# Altium PCB FPGA Board V1.PcbDoc (part 2 of 2) (continued)
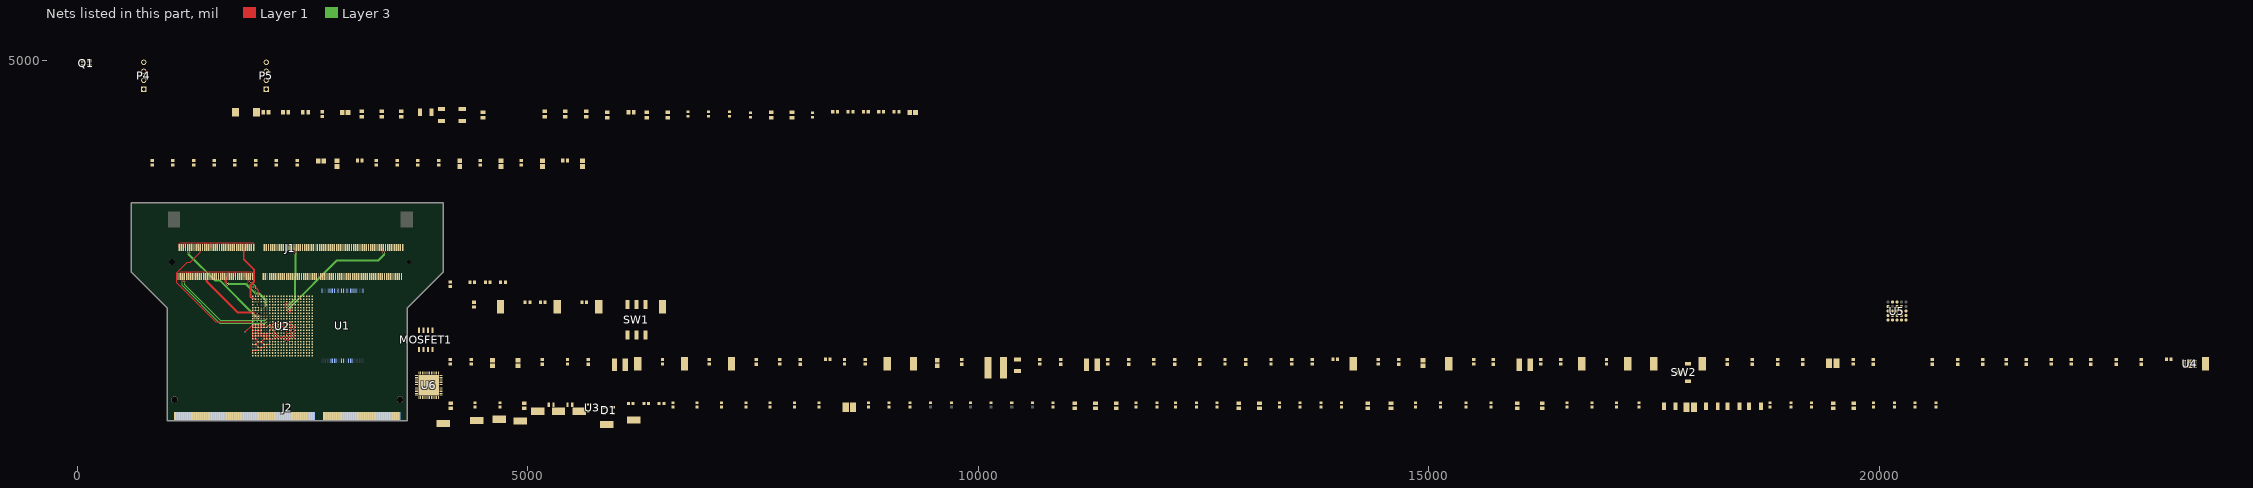
[diagram p7: the nets of this part, all layers, seen from the top]
## Part data (continued)
R32: library part RC0603FR-077K87L, "RES 7.87K OHM 1% 1/10W 0603", Device Package="0603 (1608 Metric)", Manufacturer=Yageo, Operating Temperature="-55°C ~ 155°C", Power (Watts)="0.1W, 1/10W", Supplier Device Package=0603, Supplier Part Number 1=311-7.87KHRCT-ND, Temperature Coefficient=±100ppm/°C, Tolerance=±1%, ComponentLink1Description=Datasheet, ComponentLink1URL=https://www.yageo.com/upload/media/product/productsearch/datasheet/rchip/PYu-RC_Group_51_RoHS_L_10.pdf, ComponentLink2Description="DigiKey Link", ComponentLink2URL=https://www.digikey.com/en/products/detail/yageo/RC0603FR-077K87L/727368, Composition="Thick Film", Features="Moisture Resistant", Height - Seated (Max)="0.022\" (0.55mm)", lastupdated="2023-09-26 7:35:54 PM", Lifecycle Status=Active, Minimum Order=1, Number of Terminations=2, Package / Case="0603 (1608 Metric)", Packaging=CutTape, Part Number=RC0603FR-077K87L, Part Status=Active, partid=22832, price=0.01, Resistance="7.87 kOhms", Series=RC_L, Size / Dimension="0.063\" L x 0.031\" W (1.60mm x 0.80mm)", Supplier 1=DigiKey
R33: library part RC0603FR-0711K5L, "RES 11.5K OHM 1% 1/10W 0603", Device Package="0603 (1608 Metric)", Manufacturer=Yageo, Operating Temperature="-55°C ~ 155°C", Power (Watts)="0.1W, 1/10W", Supplier Device Package=0603, Supplier Part Number 1=311-11.5KHRCT-ND, Temperature Coefficient=±100ppm/°C, Tolerance=±1%, ComponentLink1Description=Datasheet, ComponentLink1URL=https://www.yageo.com/upload/media/product/productsearch/datasheet/rchip/PYu-RC_Group_51_RoHS_L_10.pdf, ComponentLink2Description="DigiKey Link", ComponentLink2URL=https://www.digikey.com/en/products/detail/yageo/RC0603FR-0711K5L/726901, Composition="Thick Film", Features="Moisture Resistant", Height - Seated (Max)="0.022\" (0.55mm)", lastupdated="2023-09-26 7:36:11 PM", Lifecycle Status=Active, Minimum Order=1, Number of Terminations=2, Package / Case="0603 (1608 Metric)", Packaging=CutTape, Part Number=RC0603FR-0711K5L, Part Status=Active, partid=19023, price=0.01, Resistance="11.5 kOhms", Series=RC_L, Size / Dimension="0.063\" L x 0.031\" W (1.60mm x 0.80mm)", Supplier 1=DigiKey
R34: library part RC0603FR-0747KL, "RES 47K OHM 1% 1/10W 0603", Device Package="0603 (1608 Metric)", Manufacturer=Yageo, Operating Temperature="-55°C ~ 155°C", Power (Watts)="0.1W, 1/10W", Supplier Device Package=0603, Supplier Part Number 1=311-47.0KHRCT-ND, Temperature Coefficient=±100ppm/°C, Tolerance=±1%, ComponentLink1Description=Datasheet, ComponentLink1URL=https://www.yageo.com/upload/media/product/productsearch/datasheet/rchip/PYu-RC_Group_51_RoHS_L_10.pdf, ComponentLink2Description="DigiKey Link", ComponentLink2URL=https://www.digikey.com/en/products/detail/yageo/RC0603FR-0747KL/727253, Composition="Thick Film", Features="Moisture Resistant", Height - Seated (Max)="0.022\" (0.55mm)", lastupdated="2023-09-26 7:35:55 PM", Lifecycle Status=Active, Minimum Order=1, Number of Terminations=2, Package / Case="0603 (1608 Metric)", Packaging=CutTape, Part Number=RC0603FR-0747KL, Part Status=Active, partid=22601, price=0.01, Resistance="47 kOhms", Series=RC_L, Size / Dimension="0.063\" L x 0.031\" W (1.60mm x 0.80mm)", Supplier 1=DigiKey
R35: library part RK73H1JTTD7151F, "RES 7.15K OHM 1% 1/10W 0603", Device Package="0603 (1608 Metric)", Manufacturer="KOA Speer Electronics, Inc.", Operating Temperature="-55°C ~ 155°C", Power (Watts)="0.1W, 1/10W", Ratings=AEC-Q200, Supplier Device Package=0603, Supplier Part Number 1=2019-RK73H1JTTD7151FCT-ND, Temperature Coefficient=±100ppm/°C, Tolerance=±1%, ComponentLink1Description=Datasheet, ComponentLink1URL=http://www.koaspeer.com/catimages/Products/RK73H/RK73H.pdf, ComponentLink2Description="DigiKey Link", ComponentLink2URL=https://www.digikey.com/en/products/detail/koa-speer-electronics-inc/RK73H1JTTD7151F/9845079, Composition="Thick Film", Features="Automotive AEC-Q200, Moisture Resistant", Height - Seated (Max)="0.022\" (0.55mm)", lastupdated="2023-09-26 7:35:34 PM", Lifecycle Status=Active, Minimum Order=1, Number of Terminations=2, Package / Case="0603 (1608 Metric)", Packaging=CutTape, Part Number=RK73H1JTTD7151F, Part Status=Active, partid=25451, price=0.01, Resistance="7.15 kOhms", Series=RK73H, Size / Dimension="0.063\" L x 0.031\" W (1.60mm x 0.80mm)", Supplier 1=DigiKey
R37: library part RC0603FR-0741K2L, "RES 41.2K OHM 1% 1/10W 0603", Device Package="0603 (1608 Metric)", Manufacturer=Yageo, Operating Temperature="-55°C ~ 155°C", Power (Watts)="0.1W, 1/10W", Supplier Device Package=0603, Supplier Part Number 1=311-41.2KHRCT-ND, Temperature Coefficient=±100ppm/°C, Tolerance=±1%, ComponentLink1Description=Datasheet, ComponentLink1URL=https://www.yageo.com/upload/media/product/productsearch/datasheet/rchip/PYu-RC_Group_51_RoHS_L_10.pdf, ComponentLink2Description="DigiKey Link", ComponentLink2URL=https://www.digikey.com/en/products/detail/yageo/RC0603FR-0741K2L/727225, Composition="Thick Film", Features="Moisture Resistant", Height - Seated (Max)="0.022\" (0.55mm)", lastupdated="2023-09-26 7:36:34 PM", Lifecycle Status=Active, Minimum Order=1, Number of Terminations=2, Package / Case="0603 (1608 Metric)", Packaging=CutTape, Part Number=RC0603FR-0741K2L, Part Status=Active, partid=12414, price=0.01, Resistance="41.2 kOhms", Series=RC_L, Size / Dimension="0.063\" L x 0.031\" W (1.60mm x 0.80mm)", Supplier 1=DigiKey
SW1: library part CMP-07018-000004-1, "SWITCH SLIDE DIP SPST 100MA 20V", Current Rating=100mA, Max Operating Temperature=85°C, Max Voltage Rating (DC)=20V, Min Operating Temperature=-55°C, Package Quantity=1000, Actuator Type="Slide (Standard)", Contact Material=Copper, Contact Plating=Gold, Electrical Life=2000Cycles, Lead Free="Lead Free", Length=0.358inch, Max Current Rating=100mA, Mechanical Life=2000Cycles, Mount="Surface Mount", Number of Positions=3, Orientation=Straight, Packaging="Tape and Reel", Pitch=0.1inch, Termination="Gull Wing", Throw Configuration=SPST, Voltage Rating (DC)=20V, Washable=Yes
SW2: library part CMP-10038-000010-1, "SWITCH SLIDE SPDT 300MA 6V", Current Rating=300mA, Max Operating Temperature=85°C, Min Operating Temperature=-40°C, Voltage Rating (DC)=6V, Actuator Length=2mm, Actuator Material=Nylon, Actuator Type=Standard, Contact Material="Copper Alloy", Contact Plating=Silver, Electrical Life=5000Cycles, Mount="Surface Mount", Packaging="Cut Tape", Switch Function=On-On, Switch Travel=2mm, Throw Configuration=SPDT
TP20 TP21 TP22 TP23 TP24 TP25 TP26 TP27 TP28 TP29 TP30 TP31 TP32 TP33 TP34 TP35 TP? TP? TP? TP? TP? TP? TP? TP? TP?: library part CMP-1672-00008-1, "Test Point, 1 Position SMD, RoHS, Tape and Reel", Package Quantity=1000, ComponentLink1Description="Manufacturer URL", ComponentLink1URL=http://www.keyelco.com/, ComponentLink2Description=Datasheet, ComponentLink2URL=http://www.keyelco.com/product-pdf.cfm?p=1357, Contact Plating=Silver, DatasheetVersion=03/2014, Mount="Surface Mount", Mounting Technology="Surface Mount", PackageDescription="1-Pin Surface Mount Device, Body 3.81 x 2.03 mm", PackageReference=5019, Packaging="Tape and Reel", Pins=1, RoHSCompliant=True
U1: "No Description Available", Mfr_Name="Cypress Semiconductor", Copyright="Copyright (C) 2021 Ultra Librarian. All rights reserved.", Digi-Key_Part_Number_1=428-4274-ND, Digi-Key_Part_Number_2=2120-S34MS01G200TFI000-ND, Digi-Key_Part_Number_3=2832-S34MS01G200TFI000-ND, Manufacturer_Part_Number=S34ML02G200TFA000, RefDes=RefDes, Type=DEV
U2: "Artix-7 FPGA, 285 User I/Os, 4 GTP, 484-Ball BGA, Speed Grade 1, Commercial Grade, Pb-Free", Generic Part Number=XC7A200T, Manufacturer=Xilinx, Supplier Part Number 1=122-1867-ND, Block RAM Blocks (18Kb)=730, Block RAM Blocks (36Kb)=365, Block RAM Blocks (Max Kb)=13140, CLBs (Max Distributed RAM Kb)=2888, CLBs (Slices)=33650, Clock Mgmt Tiles (CMTs)=10, Code_JEDEC=MO-275-PPA2, ComponentLink1Description="Manufacturer URL", ComponentLink1URL=http://www.xilinx.com/, ComponentLink2Description=Datasheet, ComponentLink2URL=http://www.xilinx.com/support/documentation/data_sheets/ds180_7Series_Overview.pdf, ComponentLink3Description="Package Specification", ComponentLink3URL=http://www.xilinx.com/support/documentation/user_guides/ug475_7Series_Pkg_Pinout.pdf, ComponentLink4Description="DC and Switching Characteristics", ComponentLink4URL=http://www.xilinx.com/support/documentation/data_sheets/ds181_Artix_7_Data_Sheet.pdf, ComponentLink5Description="Package File", ComponentLink5URL=http://www.xilinx.com/support/packagefiles/a7packages/xc7a200tsbg484pkg.txt, ComponentLink6Description="Packaging and Pinout", ComponentLink6URL=http://www.xilinx.com/support/documentation/user_guides/ug475_7Series_Pkg_Pinout.pdf, DatasheetVersion=v1.12, DSP48E1 Slices=740, Logic Cells=215360, Max User I/O=500, Mounting Technology="Surface Mount", NexusDeviceID=XC7A200T-1SBG484C, PackageDescription="Flip-Chip Lidless BGA, Body 19 x 19 mm, 0.8 mm Pitch", PackageReference=SBG484, PackageVersion="Rev 1.8", PartNumber=XC7A200T-1SBG484C, RoHS=Pb-Free, Speed Grade=-1, Supplier 1=Digi-Key
U3: library part CMP-0367-00158-2, "1.25 V, 50 ppm / degC, 50 uA Series (Bandgap) Voltage Reference, -40 to 125 degC, 3-pin SOT-23 (DBZ), Green (RoHS & no Sb/Br)", Manufacturer="Texas Instruments", Rating=Catalog, Temp Coeff(Max)(ppm/ degree C)=50, Temp Coeff(Typ)(ppm/ degree C)=20, Code_JEDEC=TO-236, ComponentLink1Description="Manufacturer URL", ComponentLink1URL=http://www.ti.com/, ComponentLink2Description=Datasheet, ComponentLink2URL=http://www.ti.com/general/docs/lit/getliterature.tsp?genericPartNumber=REF3012&fileType=pdf, ComponentLink3Description="Package Specification", ComponentLink3URL=http://www.ti.com/litv/pdf/mpds108a, DatasheetVersion=SBVS032F, Eco-Plan="Green (RoHS & no Sb/Br)", Initial Accuracy @ 25/deg C(%)=0.2, Iq(Max)(uA)=50, Mounting Technology="Surface Mount", PackageDescription="3-Pin Plastic Small Outline, Body 2.92 x 1.3 mm, Pitch 0.95 mm", PackageReference=DBZ0003A, PackageVersion=4203227/B, PartNumber=REF3012AIDBZT, SubFamily="Series Voltage Reference", VI(Max)(V)=5.5, VI(Min)(V)=1.8, VO(V)=1.25
U4: library part CMP-0395-00656-2, "Single Output LDO, 3 A, 2.375 to 3.5 V Input, with DDR Termination, 10-pin SON (DRC), -40 to 85 degC, Green (RoHS & no Sb/Br)", Manufacturer="Texas Instruments", Power Good=TRUE, Rating=Catalog, ComponentLink1Description="Manufacturer URL", ComponentLink1URL=http://www.ti.com/, ComponentLink2Description=Datasheet, ComponentLink2URL=http://www.ti.com/general/docs/lit/getliterature.tsp?genericPartNumber=TPS51200&fileType=pdf, ComponentLink3Description="Package Specification", ComponentLink3URL=http://www.ti.com/litv/pdf/mpds117k, ComponentLink4Description="URL Link1", ComponentLink4URL="Samples URL:http://www.ti.com/product/tps51200#samples", DatasheetVersion=SLUS812, Eco-Plan="Green (RoHS & no Sb/Br)", Iout(Max)(A)=3, Iq(Typ)(mA)=0.5, Mounting Technology="Surface Mount", PackageDescription="10-Pin Plastic Small Outline, Body 3 x 3 mm, Pitch 0.5 mm", PackageReference=DRC0010J, PackageVersion=4204102-3/L, PartNumber=TPS51200DRCT, SubFamily="Single Channel LDO", Vin(Max)(V)=3.5, Vin(Min)(V)=2.3
U5: library part LTM4624EYPBF, "No Description Available", Mfr_Name="Analog Devices Inc", Copyright="Copyright (C) 2023 Ultra Librarian. All rights reserved.", Manufacturer_Part_Number=LTM4624EY#PBF, RefDes=RefDes, Type=DEV
U6: "No Description Available", Mfr_Name="Analog Devices Inc", Copyright="Copyright (C) 2023 Ultra Librarian. All rights reserved.", Digi-Key_Part_Number_1=ADP5052ACPZ-R7CT-ND, Digi-Key_Part_Number_2=ADP5052ACPZ-R7DKR-ND, Digi-Key_Part_Number_3=ADP5052ACPZ-R7TR-ND, Manufacturer_Part_Number=ADP5052ACPZ-R7, RefDes=RefDes, Type=DEV

## Via types
v1: diameter 18, hole 10, Layer 1 to Layer 8, tented both sides, 58 vias
v2: diameter 19.68, hole 7.87, Layer 1 to Layer 8, tented both sides, 5 vias

## Nets (pads, with @x,y where several pads share a name; then routed paths per layer and width w, separated by ;. In a path a pad name is that pad's centre, name@x,y a point inside that pad or via, vN(x,y) a via of type N, cw(c..) or ccw(c..) an arc to the next point about the centre after c; other vN are vias at no path point)
1v35: C148.2 L2.1 R20.1 R29.2 R32.1 TP?.1@5341,1106
3v3: C1.2 C2.2 C3.2 C4.2 C5.2 C6.2 C21.1 C22.1 C23.1 C32.2 C33.2 C34.2 C35.2 C36.2 C37.2 C38.2 C39.2 C40.2 C63.2 C64.2 C65.2 C66.2 C67.2 C68.2 C69.2 C70.2 C71.2 C74.1 C75.1 C76.1 C95.2 C96.2 C97.2 C98.2 C99.2 C100.2 C101.2 C102.2 C103.2 C104.2 C105.2 C106.2 C107.2 C108.2 C109.2 C110.2 C111.2 C112.2 C113.1 C121.2 C125.2 C143.2 C147.1 J1.199 J2.15 J2.16 J2.17 J2.18 L3.2 Q1.1 Q1.4 R1.2 R2.2 R3.2 R11.2 R12.2 R27.2 SW1.1 SW1.2 SW1.3 TP?.1@4432,1003 U1.12 U1.34 U1.37 U1.39 U2.AA7 U2.AA17 U2.AB4 U2.AB14 U2.C1 U2.F2 U2.F12 U2.H6 U2.J3 U2.M4 U2.N1 U2.R5 U2.T2 U2.T12 U2.U8 U2.V6 U2.V16 U2.W3 U2.W13 U2.Y10 U3.1 U4.10 U6.8 | length 0.1
  Layer 1 w7.33: v1(2104,2068.58) U2.F12@2104.04,2068.54
5v: C132.1 C135.2 C136.2 C137.2 C138.2 J2.7 J2.8 J2.103 J2.104 J2.106 J2.108 J2.182 J2.184 J2.186 J2.188 TP?.1@4683,1017 U5.A3 U5.C5 U5.D5 U5.E5 U6.4 U6.9 U6.23 U6.24 U6.25 U6.35 U6.36
A0: J1.98 U2.K22
A1: J1.97 U2.K21
A1v8: C123.2 C145.1 FB2.1 J2.21 R24.1 TP?.1@4917,998 U6.7
A2: J1.96 U2.G20
A3: J1.95 U2.H20
A4: J1.92 U2.H22
A5: J1.91 U2.J22
A6: J1.90 U2.H18
A7: J1.86 U2.H17
A8: J1.89 U2.H15
A9: J1.85 U2.J15
A10: J1.107 U2.G18
A11: J1.84 U2.G17
A12: J1.83 U2.G16
A13: J1.119 U2.G15 | length 0
  other v1: 2135.51,2163
A14: J1.80 U2.G13 | length 0
  other v1: 2135.57,2100
A15: J1.78 U2.H13
ALE: U1.17 U2.Y16
B0: J2.53 U2.AB2
B1: J2.55 U2.Y3
B2: J2.57 U2.AA3
B3: J2.59 U2.AA5
B4: J2.54 U2.AB5
B5: J2.56 U2.Y4
B6: J2.58 U2.AA4
B7: J2.60 U2.V4
BA0: J1.109 U2.J20
BA1: J1.108 U2.L21
BA2: J1.79 U2.M21
Busy: U1.7 U2.AB17
CAS: J1.115 U2.J19
CCLK: J2.30 U2.L12
CE: U1.9 U2.AB13
CK0_N: J1.103 U2.H14
CK0_P: J1.101 U2.J14
CK1_N: J1.104 U2.N19 | length 719.1
  Layer 1 w5.54: U2.N19@2324.51,2289.01 v1(2340.55,2272.97) v1@2342.52,2271 ; v1(2428,2871) 2428.53,2871.53 2428.53,2922.47 J1.104@2429.06,2923
  Layer 3 w4: v1(2340.55,2272.97) 2340.55,2275.97 2348,2283.42 2354.94,2283.42 2424.88,2353.36 2424.88,2601.39 2431.45,2607.95 2431.45,2851.77 2428,2855.21 v1(2428,2871)
CK1_P: J1.102 U2.N18 | length 760.3
  Layer 1 w5.54: U2.N18@2324.51,2257.51 2308.88,2273.14 2308.88,2295.48 2318.04,2304.64 2337.36,2304.64 2337.48,2304.76 v1(2339.67,2304.76) v1@2339.91,2305 ; J1.102@2405.44,2923 2409.35,2919.09 2409.35,2857.37 v1(2411.74,2854.98)
  Layer 3 w4: v1(2339.67,2304.76) 2339.67,2301.75 2347.12,2294.3 2350.43,2294.3 2414,2357.87 2414,2605.89 2420.56,2612.46 2420.56,2842.6 2411.74,2851.43 v1(2411.74,2854.98)
CKE0: J1.73 R8.1 U2.M22
CKE1: J1.74 R7.1 U2.K18
CLE: U1.16 U2.Y17
CLK0: Q1.3 U2.T5
CS0: J1.114 U2.N22
CS1: J1.121 U2.K19
D2: J2.33 U2.P21
D3: J2.34 U2.R21
DDR3_PGOOD: R11.1 TP24.1 U4.9
DM0: C1.1 C2.1 C3.1 C4.1 C5.1 C6.1 C12.1 C13.1 C14.1 C15.1 C18.1 C19.1 C20.1 C21.2 C22.2 C23.2 C24.1 C27.1 C28.1 C29.1 C30.1 C31.1 C32.1 C33.1 C34.1 C35.1 C36.1 C37.1 C38.1 C39.1 C40.1 C41.1 C42.2 C43.1 C44.2 C45.1 C46.2 C47.1 C48.2 C49.1 C50.2 C51.1 C52.2 C53.1 C54.1 C55.1 C56.1 C57.1 C58.1 C59.1 C60.1 C61.1 C62.1 C63.1 C64.1 C65.1 C66.1 C67.1 C68.1 C69.1 C70.1 C71.1 C72.2 C73.2 C74.2 C75.2 C76.2 C77.1 C78.1 C79.1 C86.1 C87.1 C88.1 C89.1 C90.1 C91.1 C92.1 C93.1 C94.1 C95.1 C96.1 C97.1 C98.1 C99.1 C100.1 C101.1 C102.1 C103.1 C104.1 C105.1 C106.1 C107.1 C108.1 C109.1 C110.1 C111.1 C112.1 C113.2 C114.1 C115.1 C116.1 C117.1 C118.1 C119.1 C120.1 C123.1 C124.1 C125.1 C126.1 C127.1 C128.1 C129.1 C130.1 C131.1 C132.2 C133.1 C134.2 C135.1 C136.1 C137.1 C138.1 C140.1 C141.2 C142.2 C143.1 C144.2 C145.2 C146.2 C147.2 C148.1 C150.1 C152.1 C154.1 C155.1 D1.4 FB1.2 J1.2 J1.3 J1.8 J1.9 J1.11 J1.13 J1.14 J1.19 J1.20 J1.25 J1.26 J1.28 J1.31 J1.32 J1.37 J1.38 J1.43 J1.44 J1.46 J1.48 J1.49 J1.54 J1.55 J1.60 J1.61 J1.63 J1.65 J1.66 J1.71 J1.72 J1.127 J1.128 J1.133 J1.134 J1.136 J1.138 J1.139 J1.144 J1.145 J1.150 J1.151 J1.153 J1.155 J1.156 J1.161 J1.162 J1.167 J1.168 J1.170 J1.172 J1.173 J1.178 J1.179 J1.184 J1.185 J1.187 J1.189 J1.190 J1.195 J1.196 J1.197 J1.201 J2.5 J2.6 J2.9 J2.10 J2.13 J2.14 J2.19 J2.20 J2.23 J2.27 J2.28 J2.35 J2.36 J2.61 J2.62 J2.65 J2.69 J2.70 J2.89 J2.90 J2.93 J2.94 J2.105 J2.110 J2.115 J2.120 J2.125 J2.130 J2.135 J2.140 J2.145 J2.150 J2.155 J2.160 J2.165 J2.170 J2.175 J2.180 J2.185 J2.190 J2.195 J2.200 P5.2 P5.4 Q1.2 R4.1 R5.1 R6.1 R7.2 R8.2 R9.2 R14.1 R15.1 R16.1 R19.2 R21.1 R23.1 R25.2 R26.2 R30.1 R33.1 R37.1 SW2.3 U1.13 U1.25 U1.36 U1.48 U2.A2 U2.A3 U2.A5 U2.A7 U2.A8 U2.A9 U2.A10 U2.A11 U2.A12 U2.A22 U2.AA2 U2.AA12 U2.AA22 U2.AB9 U2.AB19 U2.B3 U2.B5 U2.B7 U2.B8 U2.B9 U2.B10 U2.B11 U2.B12 U2.B19 U2.C3 U2.C4 U2.C6 U2.C8 U2.C9 U2.C10 U2.C11 U2.C12 U2.C16 U2.D3 U2.D4 U2.D6 U2.D8 U2.D9 U2.D10 U2.D11 U2.D12 U2.D13 U2.E4 U2.E5 U2.E7 U2.E8 U2.E9 U2.E11 U2.E12 U2.E20 U2.F5 U2.F7 U2.F8 U2.F9 U2.F11 U2.F17 U2.G5 U2.G6 U2.G7 U2.G8 U2.G9 U2.G10 U2.G12 U2.G14 U2.H1 U2.H7 U2.H9 U2.H11 U2.H21 U2.J8 U2.J10 U2.J12 U2.J18 U2.K5 U2.K7 U2.K11 U2.K15 U2.L2 U2.L8 U2.L22 U2.M7 U2.M11 U2.M19 U2.N6 U2.N8 U2.N9 U2.N10 U2.N16 U2.P3 U2.P7 U2.P9 U2.P11 U2.P13 U2.R8 U2.R10 U2.R12 U2.R20 U2.T7 U2.T9 U2.T11 U2.T17 U2.U4 U2.U14 U2.U22 U2.V1 U2.V11 U2.V21 U2.W8 U2.W18 U2.Y5 U2.Y15 U4.4 U4.8 U4.11 U5.B3 U5.B4 U5.C3 U5.D3 U5.D4 U5.E3 U6.2 U6.11 U6.13 U6.17 U6.18 U6.19 U6.30 U6.38 U6.HTAB | length 6704.7
  Layer 1 w10: J1.2@1129.85,2923 1132.72,2925.87 1132.72,2970.72 1141,2979 1206.5,2979 ; J1.3@1141.66,2600.17 1144.53,2603.04 1144.53,2647.53 1150.7,2653.7 1209.65,2653.7 ; J1.8@1200.72,2923 1200.72,2973.22 1206.5,2979 ; J1.9@1209.65,2603.04 J1.9@1212.53,2600.17 1212.53,2650.83 1209.65,2653.7 ; J1.11@1236.15,2600.17 1236.15,2650.88 1233.33,2653.7 ; J1.13@1259.77,2600.17 1259.77,2650.93 1257,2653.7 ; J1.14@1271.58,2923 1271.58,2978.58 1272,2979 ; J1.19@1330.64,2600.17 1330.64,2653.34 1331,2653.7 ; J1.20@1342.45,2923 1342.45,2978.45 1343,2979 ; J1.25@1401.5,2600.17 1401.5,2653.2 1401,2653.7 ; J1.26@1413.31,2923 1413.31,2978.69 1413,2979 ; J1.28@1436.94,2923 1436.94,2978.94 1437,2979 ; J1.31@1472.37,2600.17 1472.37,2653.33 1472,2653.7 ; J1.32@1484.18,2923 1484.18,2977.82 1483,2979 ; J1.37@1543.24,2600.17 1543.24,2653.47 1543,2653.7 ; J1.38@1555.05,2923 1555.05,2978.95 1555,2979 ; J1.43@1614.1,2600.17 1614.1,2652.81 1615,2653.7 ; J1.44@1625.91,2923 1625.91,2978.91 1626,2979 ; J1.46@1649.53,2923 1649.53,2978.47 1649,2979 ; J1.48@1673.16,2923 1673.16,2978.16 1674,2979 ; J1.49@1684.97,2600.17 1684.97,2653.67 ; J1.54@1744.02,2923 1744.02,2977.98 1743,2979 ; J1.55@1755.83,2600.17 1755.83,2652.87 1755,2653.7 ; J1.60@1814.89,2923 1814.89,2978.89 1815,2979 ; J1.61@1826.7,2600.17 1826.7,2653 1826,2653.7 ; J1.63@1850.32,2600.17 1850.32,2652.88 1849.5,2653.7 ; v1(1865,1986.98) U2.A12@1946.56,2068.54 ; J1.65@1873.94,2600.17 1873.94,2652.76 1873,2653.7 ; J1.66@1885.76,2923 1885.76,2978.76 1886,2979 ; J1.71@1944.81,2600.17 1941.94,2603.04 1941.94,2645.06 1933.3,2653.7 1873,2653.7 ; U2.A2@1946.56,1753.58 U2.A3@1946.56,1785.07 U2.B3@1978.06,1785.07 U2.C3@2009.55,1785.07 U2.D3@2041.05,1785.07 U2.D4@2041.05,1816.57 ; U2.A5@1946.56,1848.06 U2.B5@1978.06,1848.06 ; J1.72@1956.62,2923 1956.62,2973.14 1950.76,2979 1886,2979 ; v1(2009.55,2194.45) U2.C16@2009.55,2194.52 ; U2.D13@2041.05,2100.03 U2.D12@2041.05,2068.54 ; U2.H7@2167.03,1911.06 U2.G7@2135.54,1911.06 ; U2.H9@2167.03,1974.05 U2.G9@2135.54,1974.05 ; U2.J8@2198.53,1942.55 U2.K7@2230.02,1911.06 ; U2.J10@2198.53,2005.54 U2.K11@2230.02,2037.04 U2.J12@2198.53,2068.54 U2.H11@2167.03,2037.04 ; U2.M7@2293.02,1911.06 v1(2324.51,1879.56) U2.P7@2356.01,1911.06 U2.N8@2324.51,1942.55 v1(2324.51,1974.05) ; U2.M11@2293.02,2037.04 U2.N10@2324.51,2005.54 v1(2324.51,1974.05) ; U2.P11@2356.01,2037.04 v1(2387.5,2005.54) U2.T11@2419,2037.04 U2.R12@2387.5,2068.54 U2.P13@2356.01,2100.03 ; U2.T7@2419,1911.06 U2.R8@2387.5,1942.55 U2.P9@2356.01,1974.05 v1(2324.51,1974.05) ; U2.U22@2450.5,2383.5 U2.V21@2481.99,2352 ; 1206.5,2979 1272,2979 ; 1209.65,2653.7 1233.33,2653.7 ; 1233.33,2653.7 1257,2653.7 ; 1257,2653.7 1331,2653.7 ; 1272,2979 1343,2979 ; 1331,2653.7 1401,2653.7 ; 1343,2979 1413,2979 ; 1401,2653.7 1472,2653.7 ; 1413,2979 1437,2979 ; 1437,2979 1483,2979 ; 1472,2653.7 1543,2653.7 ; 1483,2979 1555,2979 ; 1543,2653.7 1615,2653.7 ; 1555,2979 1626,2979 ; 1615,2653.7 1685,2653.7 1755,2653.7 ; 1626,2979 1649,2979 ; 1649,2979 1674,2979 ; 1674,2979 1743,2979 ; 1743,2979 1815,2979 ; 1755,2653.7 1826,2653.7 ; 1815,2979 1886,2979 ; 1826,2653.7 1849.5,2653.7 ; 1849.5,2653.7 1873,2653.7 ; U2.A8@1946.56,1942.55 U2.A9@1946.56,1974.05 ; U2.A8@1946.56,1942.55 U2.A7@1946.56,1911.06 U2.B7@1978.06,1911.06 ; U2.A8@1946.56,1942.55 U2.B8@1978.06,1942.55 ; U2.A9@1946.56,1974.05 U2.A10@1946.56,2005.54 ; U2.A9@1946.56,1974.05 U2.B9@1978.06,1974.05 ; U2.A10@1946.56,2005.54 U2.B10@1978.06,2005.54 ; U2.A10@1946.56,2005.54 U2.A11@1946.56,2037.04 ; U2.A11@1946.56,2037.04 U2.B11@1978.06,2037.04 ; U2.A11@1946.56,2037.04 U2.A12@1946.56,2068.54 ; U2.A12@1946.56,2068.54 U2.B12@1978.06,2068.54 ; U2.B5@1978.06,1848.06 U2.C4@2009.55,1816.57 U2.D4@2041.05,1816.57 ; U2.B5@1978.06,1848.06 U2.C6@2009.55,1879.56 ; U2.B7@1978.06,1911.06 U2.C6@2009.55,1879.56 ; U2.B7@1978.06,1911.06 U2.B8@1978.06,1942.55 ; U2.B8@1978.06,1942.55 U2.B9@1978.06,1974.05 ; U2.B8@1978.06,1942.55 U2.C8@2009.55,1942.55 ; U2.B9@1978.06,1974.05 U2.C9@2009.55,1974.05 ; U2.B9@1978.06,1974.05 U2.B10@1978.06,2005.54 ; U2.B10@1978.06,2005.54 U2.C10@2009.55,2005.54 ; U2.B10@1978.06,2005.54 U2.B11@1978.06,2037.04 ; U2.B11@1978.06,2037.04 U2.B12@1978.06,2068.54 ; U2.B11@1978.06,2037.04 U2.C11@2009.55,2037.04 ; U2.B12@1978.06,2068.54 U2.C12@2009.55,2068.54 ; U2.C6@2009.55,1879.56 U2.D6@2041.05,1879.56 ; U2.C8@2009.55,1942.55 U2.D8@2041.05,1942.55 ; U2.C8@2009.55,1942.55 U2.C9@2009.55,1974.05 ; U2.C9@2009.55,1974.05 U2.C10@2009.55,2005.54 ; U2.C9@2009.55,1974.05 U2.D9@2041.05,1974.05 ; U2.C10@2009.55,2005.54 U2.C11@2009.55,2037.04 ; U2.C10@2009.55,2005.54 U2.D10@2041.05,2005.54 ; U2.C11@2009.55,2037.04 U2.C12@2009.55,2068.54 ; U2.C11@2009.55,2037.04 U2.D11@2041.05,2037.04 ; U2.C12@2009.55,2068.54 U2.D12@2041.05,2068.54 ; U2.D4@2041.05,1816.57 U2.E4@2072.54,1816.57 U2.E5@2072.54,1848.06 ; U2.D6@2041.05,1879.56 U2.E5@2072.54,1848.06 ; U2.D6@2041.05,1879.56 U2.E7@2072.54,1911.06 ; U2.D8@2041.05,1942.55 U2.D9@2041.05,1974.05 ; U2.D8@2041.05,1942.55 U2.E8@2072.54,1942.55 ; U2.D9@2041.05,1974.05 U2.E9@2072.54,1974.05 ; U2.D9@2041.05,1974.05 U2.D10@2041.05,2005.54 ; U2.D10@2041.05,2005.54 U2.D11@2041.05,2037.04 ; U2.D11@2041.05,2037.04 U2.D12@2041.05,2068.54 ; U2.D11@2041.05,2037.04 U2.E11@2072.54,2037.04 ; U2.D12@2041.05,2068.54 U2.E12@2072.54,2068.54 U2.E11@2072.54,2037.04 ; U2.E5@2072.54,1848.06 U2.F5@2104.04,1848.06 U2.G5@2135.54,1848.06 U2.G6@2135.54,1879.56 U2.G7@2135.54,1911.06 ; U2.E7@2072.54,1911.06 U2.E8@2072.54,1942.55 ; U2.E7@2072.54,1911.06 U2.F7@2104.04,1911.06 ; U2.E8@2072.54,1942.55 U2.F8@2104.04,1942.55 ; U2.E8@2072.54,1942.55 U2.E9@2072.54,1974.05 ; U2.E9@2072.54,1974.05 U2.F9@2104.04,1974.05 ; U2.E11@2072.54,2037.04 U2.F11@2104.04,2037.04 U2.G12@2135.54,2068.54 U2.H11@2167.03,2037.04 ; U2.F7@2104.04,1911.06 U2.G7@2135.54,1911.06 ; U2.F7@2104.04,1911.06 U2.F8@2104.04,1942.55 ; U2.F8@2104.04,1942.55 U2.G8@2135.54,1942.55 ; U2.F8@2104.04,1942.55 U2.F9@2104.04,1974.05 ; U2.F9@2104.04,1974.05 U2.G9@2135.54,1974.05 ; U2.G7@2135.54,1911.06 U2.G8@2135.54,1942.55 ; U2.G8@2135.54,1942.55 U2.G9@2135.54,1974.05 ; U2.G9@2135.54,1974.05 U2.G10@2135.54,2005.54 U2.H11@2167.03,2037.04
  other v1: 2135.53,2131.53 2104.04,2226.04 1978.06,2289
  other v2: 23427.31,1603.47 23466.69,1603.47 23447,1633 23427.31,1662.53 23466.69,1662.53
DONE: D1.1 D1.2 D1.3 J2.96 R1.1 U2.G11
DQ0: J1.5 U2.F13 | length 1216.1
  Layer 1 w7.33: v1(1165,2542) 1165.14,2542.14 1165.14,2600.03 J1.5@1165.28,2600.17
  Layer 3 w4.92: v1(1165,2542) 1165,2503 1583.46,2084.54 2088.61,2084.54 v1(2104.07,2100)
DQ1: J1.7 U2.F14 | length 1173.6
  Layer 1 w4.92: v1(2104,2131.57) U2.F14@2104.04,2131.53
  Layer 1 w7.33: J1.7@1188.9,2600.17 1189.45,2599.62 1189.45,2542.55 v1(1190,2542)
  Layer 3 w4.92: v1(1190,2542) 1190,2511 1584.82,2116.18 2088.61,2116.18 v1(2104,2131.57)
DQ2: J1.15 U2.F16 | length 0.1
  Layer 1 w4.92: v1(2104,2194.48) v1(2104,2194.48)
DQ3: J1.17 U2.E17 | length 0
  other v1: 2072.56,2226
DQ4: J1.4 U2.E13 | length 0.5
  Layer 1 w7.33: v1(2072.51,2100) U2.E13@2073,2100
DQ5: J1.6 U2.E14 | length 0.9
  Layer 1 w7.33: U2.E14@2072,2131.11 v1(2072.53,2131.64) U2.E14@2072.54,2131.53
DQ6: J1.16 U2.E16 | length 0.1
  Layer 1 w7.33: v1(2072.54,2194.46) v1(2072.54,2194.46)
DQ7: J1.18 U2.D16 | length 0.1
  Layer 1 w7.33: v1(2041,2194.57) U2.D16@2041.05,2194.52
DQ8: J1.21 U2.B15 | length 24.1
  Layer 1 w7.33: v1@1961,2145.97 v1(1962.02,2146.98) U2.B15@1978.06,2163.02
DQ9: J1.23 U2.B16 | length 0.1
  Layer 1 w7.7: v1(1978,2194.46) U2.B16@1978.06,2194.52
DQ10: J1.33 U2.C13 | length 0
  other v1: 2009.52,2100
DQ11: J1.35 U2.B13 | length 0
  other v1: 1978.09,2100
DQ12: J1.22 U2.A13 | length 1541.5
  Layer 1 w7.7: J1.22@1366.07,2923 1366.07,2874.07 1253.58,2761.58 1221.11,2761.58 1102.31,2642.79 1102.31,2533.69 1535.97,2100.03 U2.A13@1946.56,2100.03
DQ13: J1.24 U2.A14
DQ14: J1.34 U2.B17
DQ15: J1.36 U2.B18
DQ16: J1.39 U2.E19
  other v1: 2072.54,2289.01
DQ17: J1.41 U2.D19 | length 0
  other v1: 2041.01,2289.01
DQ18: J1.51 U2.B20
  other v1: 1978.06,2320.5
DQ19: J1.53 U2.A20
DQ20: J1.40 U2.A18
DQ21: J1.42 U2.A19
DQ22: J1.50 U2.F19
  other v1: 2114.99,2278.12
DQ23: J1.52 U2.F20
DQ24: J1.57 U2.D20
DQ25: J1.59 U2.C20 | length 0.7
  Layer 1 w4.92: U2.C20@2009.55,2320.5 v1(2009.55,2320.45) U2.C20@2010,2320
DQ26: J1.67 U2.C22 | length 287.8
  Layer 1 w4.92: J1.67@1897.57,2600.17 1898,2599.73 v1(1898,2522)
  Layer 1 w7.7: v1(1960,2491) 1975.21,2475.79 1985.04,2475.79 2009.55,2451.28 U2.C22@2009.55,2383.5
  Layer 3 w4.92: v1(1898,2522) 1930,2490 1959,2490 v1(1960,2491)
DQ27: J1.69 U2.B22 | length 245.1
  Layer 1 w4.92: v1(1921,2545) 1921,2599.98 J1.69@1921.19,2600.17
  Layer 1 w7.7: U2.B22@1978.06,2383.5 v1(1978.06,2458.94)
  Layer 3 w4.92: v1(1921,2545) 1946.78,2519.22 1954.78,2519.22 1978.06,2495.94 v1(1978.06,2458.94)
DQ28: J1.56 U2.E22
DQ29: J1.58 U2.D22
DQ30: J1.68 U2.E21
DQ31: J1.70 U2.D21
DQ32: J1.129 U2.K13
DQ33: J1.131 U2.K14
DQ34: J1.141 U2.M13
DQ35: J1.143 U2.L13
DQ36: J1.130 U2.L14
DQ37: J1.132 U2.L15
DQ38: J1.140 U2.L16
DQ39: J1.142 U2.K16
DQ40: J1.147 U2.W21
DQ41: J1.149 U2.W22
DQ42: J1.157 U2.AA20
DQ43: J1.159 U2.AA21
DQ44: J1.146 U2.AB21
DQ45: J1.148 U2.AB22
DQ46: J1.158 U2.U20
DQ47: J1.160 U2.V20
DQ48: J1.163 U2.V18
DQ49: J1.165 U2.V19
DQ50: J1.175 U2.V17
DQ51: J1.177 U2.W17
DQ52: J1.164 U2.AA18
DQ53: J1.166 U2.AB18
DQ54: J1.174 U2.U17
DQ55: J1.176 U2.U18
DQ56: J1.181 U2.P14
DQ57: J1.183 U2.R14
DQ58: J1.191 U2.R18
DQ59: J1.193 U2.T18
DQ60: J1.180 U2.P15
DQ61: J1.182 U2.R16
DQ62: J1.192 U2.N13
DQ63: J1.194 U2.N14
DQS0_N: J1.10 U2.C15 | length 1155.5
  Layer 1 w5.54: J1.10@1224.34,2923 1224.67,2922.67 1224.67,2865.33 v1(1225,2865) ; v1(1994,2146.89) 1994,2147.18 2009.55,2162.73 U2.C15@2009.55,2163.02
  Layer 3 w4: v1(1225,2865) 1225,2861.22 1230.56,2855.66 1230.56,2845.49 1522.76,2553.29 1578.59,2553.29 1964.68,2167.2 1973.69,2167.2 v1(1994,2146.89)
DQS0_P: J1.12 U2.C14 | length 1186.2
  Layer 1 w5.54: v1(1247,2865) 1247.48,2865.48 1247.48,2922.52 J1.12@1247.96,2923 ; v1(1993.8,2178.18) 1994.27,2178.65 2016.03,2178.65 2025.18,2169.5 2025.18,2147.16 U2.C14@2009.55,2131.53
  Layer 3 w4: v1(1247,2865) 1247,2861.22 1241.44,2855.66 1241.44,2850 1527.27,2564.17 1583.1,2564.17 1969.18,2178.08 v1@1993.8,2178.08
DQS1_N: J1.27 U2.A16 | length 716.8
  Layer 1 w5.54: J1.27@1425.13,2600.17 1425.13,2568.67 1432.17,2561.63 1432.17,2546.44 1778,2200.61 1937.23,2200.61 1943.32,2194.52 U2.A16@1946.56,2194.52
DQS1_P: J1.29 U2.A15 | length 762.3
  Layer 1 w5.54: J1.29@1448.75,2600.17 1448.75,2568.67 1441.71,2561.63 1441.71,2550.39 1781.95,2210.15 1953.03,2210.15 1962.19,2200.99 1962.19,2178.65 U2.A15@1946.56,2163.02
DQS2_N: J1.45 U2.E18 | length 671.8
  Layer 1 w5.54: J1.45@1637.72,2600.17 1637.72,2568.67 1644.77,2561.63 1644.77,2534.93 1666.7,2513 v1(1667,2513)
  Layer 3 w4: v1(1667,2513) 1670.78,2513 1676.34,2518.56 1864.84,2518.56 1973.13,2410.26 2014.44,2410.26 2087.54,2337.16 2087.54,2274.93 2083.52,2270.91 2083.52,2264.43
  other v1: 2072.54,2257.51
DQS2_P: J1.47 U2.F18 | length 653.1
  Layer 1 w5.54: J1.47@1661.35,2600.17 1661.35,2568.67 1654.3,2561.63 1654.3,2550.7 1667,2538 v1(1667,2535) ; v1(2104,2257.55) U2.F18@2104.04,2257.51
  Layer 3 w4: v1(1667,2535) 1670.78,2535 1676.34,2529.44 1869.35,2529.44 1977.64,2421.15 2018.94,2421.15 2098.43,2341.66 2098.43,2273.48
DQS3_N: J1.62 U2.A21 | length 649.7
  Layer 1 w5.54: J1.62@1838.51,2923 1838.51,2891.5 1845.55,2884.46 1845.55,2788.54 1959.45,2674.64 1959.45,2547.66 1921.39,2509.6 1921.39,2373.07 1936.14,2358.33 1937.23,2358.33 1943.56,2352 U2.A21@1946.56,2352
DQS3_P: J1.64 U2.B21 | length 669.3
  Layer 1 w5.54: J1.64@1862.13,2923 1862.13,2891.5 1855.09,2884.46 1855.09,2792.49 1968.99,2678.59 1968.99,2543.71 1930.93,2505.64 1930.93,2377.02 1940.09,2367.87 1952.79,2367.87 1966.33,2354.33 1975.73,2354.33 U2.B21@1978.06,2352
DQS4_N: J1.135 U2.J17
DQS4_P: J1.137 U2.K17
DQS5_N: J1.152 U2.Y22
DQS5_P: J1.154 U2.Y21
DQS6_N: J1.169 U2.AB20
DQS6_P: J1.171 U2.AA19
DQS7_N: J1.186 U2.P17 | length 1420.5
  Layer 1 w5.54: v1@2338.02,2244 v1(2339.97,2242.06) U2.P17@2356.01,2226.02 ; J1.186@3397.57,2923 3397.78,2922.78 3397.78,2866.22 v1(3398,2866)
  Layer 3 w4: v1(2339.97,2242.06) 2342.38,2242.06 2350.13,2249.8 2350.13,2257.33 2880.68,2787.88 3341.1,2787.88 3403.56,2850.34 3403.56,2856.66 3398,2862.22 v1(3398,2866)
DQS7_P: J1.188 U2.N17 | length 1477.1
  Layer 1 w5.54: U2.N17@2324.51,2226.02 2340.14,2210.39 2365.14,2210.39 2371.64,2216.88 2371.64,2241.29 v1(2371.17,2241.76) v1(2371.17,2241.76) ; v1(3420,2866) 3420.59,2866.59 3420.59,2890.91 3421.19,2891.5 J1.188@3421.19,2923
  Layer 3 w4: v1(2371.17,2241.76) 2368.75,2241.76 2361.01,2249.51 2361.01,2252.82 2885.19,2777 3345.6,2777 3414.44,2845.84 3414.44,2856.66 3420,2862.22 v1(3420,2866)
EIO0: U2.J16
EIO1: U2.L19
EIO2: U2.L20
EIO3: J2.98 U2.L18
EIO4: J2.99 U2.M20
EIO5: J2.189 U2.M15
EIO6: J2.191 U2.M16
EIO7: J2.192 U2.M17
EIO8: J2.193 U2.F15 | length 0
  other v1: 2104.02,2163
EIO9: J2.194 U2.D15 | length 0
  other v1: 2041.02,2163.02
EIO10: J2.196 U2.D17
EIO11: J2.197 U2.C17
EIO12: J2.198 U2.C18
EIO13: J2.199 U2.C19
  other v1: 2009.55,2289.01
EIO14: J2.201 U2.G21
EIO15: J2.202 U2.G22
EIO16: J2.203 U2.F21
EIO17: J2.204 U2.P20
EIO18: U2.V22
EIO19: U2.T21
EIO20: U2.U21
EIO21: U2.P19
EIO22: U2.R19
EIO23: U2.T20
EIO24: U2.W19
EIO25: U2.W20
EIO26: U2.Y18
EIO27: U2.Y19
EIO28: U2.P16
EIO29: U2.R17
EIO30: U2.N15
EN1_5: R20.2 R23.2 TP30.1 U6.5 U6.37
EVENT: J1.198 R10.1 TP20.1
FB2: R36.1 R37.2 TP35.1 U6.21
FB3: R16.2 R17.2 TP28.1 U6.45
FCS: J2.29 U2.T19
G0: J2.38 U2.Y2
G1: J2.40 U2.W1
G2: J2.42 U2.Y1
G3: J2.44 U2.U3
G4: J2.46 U2.V3
G5: J2.48 U2.AA1
G6: J2.50 U2.AB1
G7: J2.52 U2.AB3
GPIO0: J2.37 U2.T3
GPIO1: J2.39 U2.T1
GPIO2: J2.41 U2.U1
GPIO3: J2.43 U2.U2
GPIO4: J2.45 U2.V2
GPIO5: J2.47 U2.R3
GPIO6: J2.49 U2.R2
GPIO7: J2.51 U2.W2
GPIO24: J2.71 U2.W4
GPIO25: J2.73 U2.R4
GPIO26: J2.75 U2.T4
GPIO27: J2.77 U2.U5
GPIO28: J2.79 U2.W6
GPIO29: J2.72 U2.W5
GPIO30: J2.74 U2.U6
GPIO31: J2.76 U2.V5
GPIO32: J2.78 U2.R6
GPIO33: J2.80 U2.T6
GPIO34: J2.82 U2.Y6
GPIO35: J2.81 U2.AA6
GPIO36: J2.83 U2.V7
GPIO37: J2.85 U2.W7
GPIO38: J2.84 U2.AB7
GPIO39: J2.86 U2.AB6
GPIO40: J2.88 U2.V9
GPIO41: J2.87 U2.V8
GPIO42: J2.67 U2.AA8
GPIO43: J2.63 U2.AB8
GPIO44: J2.64 U2.Y8
GPIO45: J2.66 U2.Y7
GPIO46: J2.68 U2.W9
GPIO47: J2.100 U2.Y9
GPIO48: J2.101 U2.U7
GPIO49: J2.102 U2.F4
GPIO50: U2.B1
GPIO51: U2.A1
GPIO52: U2.C2
GPIO53: U2.B2
GPIO54: U2.E1
GPIO55: U2.D1
GPIO56: U2.E2
GPIO57: J2.112 U2.D2
GPIO58: U2.G1
GPIO59: J2.114 U2.F1
GPIO60: J2.116 U2.F3
GPIO61: J2.117 U2.E3
GPIO62: J2.118 U2.K1
GPIO63: J2.119 U2.J1
GPIO64: J2.121 U2.H2
GPIO65: J2.122 U2.G2
GPIO66: J2.123 U2.K2
GPIO67: J2.124 U2.J2
GPIO68: J2.126 U2.J5
GPIO69: J2.127 U2.H5
GPIO70: J2.128 U2.H3
GPIO71: J2.129 U2.G3
GPIO72: J2.131 U2.H4
GPIO73: J2.132 U2.G4
GPIO74: J2.133 U2.K4
GPIO75: J2.134 U2.J4
GPIO76: J2.136 U2.L3
GPIO77: J2.137 U2.K3
GPIO78: J2.138 U2.M1
GPIO79: J2.139 U2.L1
GPIO80: J2.141 U2.M3
GPIO81: J2.142 U2.M2
GPIO82: J2.143 U2.K6
GPIO83: J2.144 U2.J6
GPIO84: J2.146 U2.L5
GPIO85: J2.147 U2.L4
GPIO86: J2.148 U2.N4
GPIO87: J2.149 U2.N3
GPIO88: J2.151 U2.R1
GPIO89: J2.152 U2.P1
GPIO90: J2.153 U2.P5
GPIO91: J2.154 U2.P4
GPIO92: J2.156 U2.P2
GPIO93: J2.157 U2.N2
GPIO94: J2.158 U2.M6
GPIO95: J2.159 U2.M5
GPIO96: J2.161 U2.P6
GPIO97: J2.162 U2.N5
GPIO98: J2.163 U2.L6
GPIO99: J2.164 U2.AA9
GPIO100: J2.166 U2.AB10
GPIO101: J2.167 U2.AA10
GPIO102: J2.168 U2.AA11
GPIO103: J2.169 U2.V10
GPIO104: J2.171 U2.W10
GPIO105: J2.172 U2.Y11
GPIO106: J2.173 U2.Y12
GPIO107: J2.174 U2.W11
GPIO108: J2.176 U2.W12
GPIO109: J2.177 U2.V13
GPIO110: J2.178 U2.V14
GPIO111: J2.179 U2.U15
GPIO112: J2.181 U2.V15
GPIO113: U2.T14
GPIO114: J2.183 U2.T15
GPIO115: U2.W15
GPIO116: U2.W16
GPIO117: J2.187 U2.T16
GPIO118: U2.U16
INIT: J2.95 R2.1 U2.U12
INTVCC: SW2.1 TP25.1 U5.E4
IO0: U1.29 U2.AB12
IO1: U1.30 U2.AB11
IO2: U1.31 U2.Y14
IO3: U1.32 U2.W14
IO4: U1.41 U2.AA14
IO5: U1.42 U2.Y13
IO6: U1.43 U2.AB15
IO7: U1.44 U2.AA15
M0: R4.2 SW1.6 TP21.1 U2.U11
M1: R5.2 SW1.5 TP22.1 U2.U10
M2: R6.2 SW1.4 TP23.1 U2.U9
MISO: J2.31 U2.R22
MODE: SW2.2 TP27.1 U5.C4
MOSI: J2.32 U2.P22
NetC133_2: C133.2 U5.A2
NetC139_1: C139.1 L1.2 U6.3
NetC139_2: C139.2 U6.1
NetC141_1: C141.1 R22.2
NetC144_1: C144.1 U6.42
NetC146_1: C146.1 R28.2
NetC149_1: C149.1 L2.2 U6.10
NetC149_2: C149.2 U6.12
NetC150_2: C150.2 R31.1
NetC151_1: C151.1 U6.32
NetC151_2: C151.2 L3.1 MOSFET1.7 MOSFET1.8 U6.33 U6.34
NetC152_2: C152.2 R35.1
NetC153_1: C153.1 U6.28
NetC153_2: C153.2 L4.1 MOSFET1.5 MOSFET1.6 U6.26 U6.27
NetMOSFET1_1: MOSFET1.1 MOSFET1.3 R34.2
NetMOSFET1_2: MOSFET1.2 U6.31
NetMOSFET1_4: MOSFET1.4 R34.1 U6.29
NetR12_1: R12.1 U4.7
NetR13_2: R13.2 R14.2 U4.1
NetR15_2: R15.2 U5.B1
NetR18_1: R18.1 R19.1 U6.48
NetR21_2: R21.2 R24.2 TP29.1 U6.6
NetR22_1: R22.1 U6.46
NetR25_1: R25.1 R27.1 TP32.1 U6.40
NetR26_1: R26.1 U6.41
NetR28_1: R28.1 U6.39
NetR29_1: R29.1 R30.2 TP31.1 U6.14
NetR31_2: R31.2 U6.15
NetR32_2: R32.2 R33.2 TP33.1 U6.16
NetR35_2: R35.2 U6.22
NetTP26_1: TP26.1 U5.C2
NetTP34_1: TP34.1 U6.20
ODT0: J1.116 U2.M18
ODT1: J1.120 U2.N20
PROGRAM: J2.97 R3.1 U2.N12
RAS: J1.110 U2.J21
RE: U1.8 U2.AA13
RESET: J1.30 R9.1 U2.D14 | length 0.1
  Layer 1 w7.33: v1(2041,2131.64) v1(2041,2131.64) U2.D14@2041.05,2131.53
SCL: J1.202 P5.3
SDA: J1.200 P5.1
TCK: J2.25 P4.2 U2.V12
TDI: J2.24 P4.3 U2.R13
TDO: J2.26 P4.1 U2.U13
TMS: J2.22 P4.4 U2.T13
Vccadc: C16.2 C17.2 C124.2 FB2.2 U2.K10
Vccaux: C73.1 C87.2 C88.2 C89.2 C90.2 C91.2 C92.2 C93.2 C94.2 C140.2 J2.11 J2.12 L1.1 R17.1 TP?.1@5111,1106 U2.H12 U2.K12 U2.M12 U2.P12 U2.R11 | length 271.7
  Layer 1 w5: U2.H12@2167.03,2068.54 2182.39,2083.89 2214.67,2083.89 U2.K12@2230.02,2068.54 2245.38,2083.89 2277.66,2083.89 v1(2293.02,2068.54) 2308.37,2083.89 2340.65,2083.89 U2.P12@2356.01,2068.54
  Layer 1 w10: U2.P12@2356.01,2068.54 U2.R11@2387.5,2037.04
Vccbram: C12.2 C13.2 C14.2 C15.2 C18.2 C19.2 C20.2 C24.2 C27.2 C28.2 C29.2 C30.2 C31.2 C72.1 C77.2 C78.2 C79.2 C80.2 C81.2 C82.2 C83.2 C84.2 C85.2 C86.2 C114.2 C115.2 C116.2 C117.2 C118.2 C119.2 C120.2 C154.2 C155.2 J2.1 J2.2 J2.3 J2.4 L4.2 R18.2 R36.2 TP?.1@4062,972 U2.H8 U2.H10 U2.J7 U2.J9 U2.J11 U2.K8 U2.L7 U2.L11 U2.M8 U2.N7 U2.N11 U2.P8 U2.P10 U2.R7 U2.R9 U2.T8 U2.T10 | length 654.8
  Layer 1 w5: U2.L11@2261.52,2037.04 2276.88,2052.4 2309.15,2052.4 U2.N11@2324.51,2037.04
  Layer 1 w10: U2.J7@2198.53,1911.06 U2.H8@2167.03,1942.55 U2.J9@2198.53,1974.05 ; U2.J11@2198.53,2037.04 U2.H10@2167.03,2005.54 U2.J9@2198.53,1974.05 ; U2.N7@2324.51,1911.06 U2.M8@2293.02,1942.55 U2.L7@2261.52,1911.06 U2.K8@2230.02,1942.55 U2.J9@2198.53,1974.05 ; U2.N11@2324.51,2037.04 U2.P10@2356.01,2005.54 U2.R9@2387.5,1974.05 ; U2.P8@2356.01,1942.55 U2.R7@2387.5,1911.06 ; U2.T8@2419,1942.55 U2.R9@2387.5,1974.05 ; U2.T10@2419,2005.54 U2.R9@2387.5,1974.05
Vdd: C53.2 C54.2 C55.2 C56.2 C57.2 C58.2 C59.2 C60.2 C61.2 C62.2 C130.2 C131.2 C134.1 J1.75 J1.76 J1.81 J1.82 J1.87 J1.88 J1.93 J1.94 J1.99 J1.100 J1.105 J1.106 J1.111 J1.112 J1.117 J1.118 J1.123 J1.124 J2.107 J2.109 R10.2 R13.1 TP?.1@5571,1106 U2.A17 U2.B14 U2.C21 U2.D18 U2.E15 U2.F22 U2.G19 U2.H16 U2.J13 U2.K20 U2.L17 U2.M14 U2.N21 U2.P18 U2.R15 U2.T22 U2.U19 U2.Y20 U4.2 U5.C1 U5.D1 U5.D2 U5.E1 U5.E2 | length 0.1
  Layer 1 w7.7: v1(2041,2257.56) U2.D18@2041.05,2257.51
  other v1: 1978.15,2131.64 2072.57,2163
VN: J2.92 U2.M9
VP: J2.91 U2.L10
Vrefca: C129.2 J1.1 J1.126 J2.113 TP?.1@6175,1011 U4.6
Vrefn: C16.1 C17.1 C121.1 C122.1 FB1.1 U2.K9 U2.L9 U3.3
Vrefp: C122.2 U2.M10 U3.2
VREG: C142.1 U6.43 U6.44 U6.47
Vtt: C41.2 C42.1 C43.2 C44.1 C45.2 C46.1 C47.2 C48.1 C49.2 C50.1 C51.2 C52.1 C126.2 C127.2 C128.2 J1.203 J1.204 J2.111 TP?.1@5877,959 U4.3 U4.5
WE: J1.113 U2.H19
WE_NAND: U1.18 U2.AA16
WP: U1.19 U2.AB16
pads on no net: C80.1 C81.1 C82.1 C83.1 C84.1 C85.1 J1. J1.77 J1.122 J1.125 J1.P$1 J1.P$2 U1.1 U1.2 U1.3 U1.4 U1.5 U1.6 U1.10 U1.11 U1.14 U1.15 U1.20 U1.21 U1.22 U1.23 U1.24 U1.26 U1.27 U1.28 U1.33 U1.35 U1.38 U1.40 U1.45 U1.46 U1.47 U2.A4 U2.A6 U2.B4 U2.B6 U2.C5 U2.C7 U2.D5 U2.D7 U2.E6 U2.E10 U2.F6 U2.F10 U5.A1 U5.A4 U5.A5 U5.B2 U5.B5

## Polygon pours and split planes (outlines as drawn)
DM0 on Layer 2 (split plane): 4039.9,2658.32 3645.79,2264.21 3643.29,2261.17 3641.43,2257.69 3640.29,2253.92 3639.9,2250 3639.9,1020.1 1020.1,1020.1 1020.1,2250 1019.71,2253.92 1018.57,2257.69 1016.71,2261.17 1014.21,2264.21 620.1,2658.32 620.1,3399.9 4039.9,3399.9
no net on Layer 4 (split plane): 4039.9,2658.32 3645.79,2264.21 3643.29,2261.17 3641.43,2257.69 3640.29,2253.92 3639.9,2250 3639.9,1020.1 1020.1,1020.1 1020.1,2250 1019.71,2253.92 1018.57,2257.69 1016.71,2261.17 1014.21,2264.21 620.1,2658.32 620.1,3399.9 4039.9,3399.9
no net on Layer 5 (split plane): 4039.9,2658.32 3645.79,2264.21 3643.29,2261.17 3641.43,2257.69 3640.29,2253.92 3639.9,2250 3639.9,1020.1 1020.1,1020.1 1020.1,2250 1019.71,2253.92 1018.57,2257.69 1016.71,2261.17 1014.21,2264.21 620.1,2658.32 620.1,3399.9 4039.9,3399.9
no net on Layer 7 (split plane): 4039.9,2658.32 3645.79,2264.21 3643.29,2261.17 3641.43,2257.69 3640.29,2253.92 3639.9,2250 3639.9,1020.1 1020.1,1020.1 1020.1,2250 1019.71,2253.92 1018.57,2257.69 1016.71,2261.17 1014.21,2264.21 620.1,2658.32 620.1,3399.9 4039.9,3399.9

## Text inside footprints (layer, text, board x,y; h text height)
MOSFET1: Mechanical 13 "*" at 3819.5,1822 h50 r90; Top Overlay "*" at 3773,1768.25 h50 r90
U1: Mechanical 7 "Default Padstyle: RX47p5Y11D0T" at 2505,1681 h50 r270; Mechanical 7 "Pin One Padstyle: RX47p5Y11D0T" at 2445,1681 h50 r270; Mechanical 7 "Alt 1 Padstyle: OX60Y90D30P" at 2265,1718.5 h50 r270; Mechanical 7 "Alt 2 Padstyle: OX90Y60D30P" at 2205,1718.5 h50 r270; Mechanical 7 "0.728in/18.491mm" at 3276,1956 h25 r270; Mechanical 7 "0.795in/20.193mm" at 3351,1956 h25 r270; Mechanical 7 "0.476in/12.09mm" at 2930.5,2540 h25 r270; Mechanical 7 "0.02in/0.5mm" at 3147.04,1398.25 h25 r270; Mechanical 7 "0.028in/0.711mm" at 2585,1578.75 h25 r270; Bottom Overlay "*" at 3175.38,1645.75 h50 r270; Mechanical 13 "*" at 3128,1694.5 h50 r270
U5: Bottom Overlay "A" at 20050,2294 h50; Bottom Overlay "E" at 20050,2094 h50; Bottom Overlay "1" at 20073,2367 h50 r270; Bottom Overlay "5" at 20273,2367 h50 r270; Mechanical 13 "A" at 20025,2294 h50; Mechanical 13 "E" at 20025,2094 h50; Mechanical 13 "1" at 20123,2367 h50 r90; Mechanical 13 "5" at 20323,2367 h50 r90; Top Overlay "A" at 20025,2294 h50; Top Overlay "E" at 20025,2094 h50; Top Overlay "1" at 20123,2367 h50 r90; Top Overlay "5" at 20323,2367 h50 r90
U6: Mechanical 13 "*" at 4001.81,1511.5 h25; Top Overlay "*" at 3995.56,1550 h50